# Altium PCB develboard_sdk.PcbDoc (part 1 of 4) (continued)
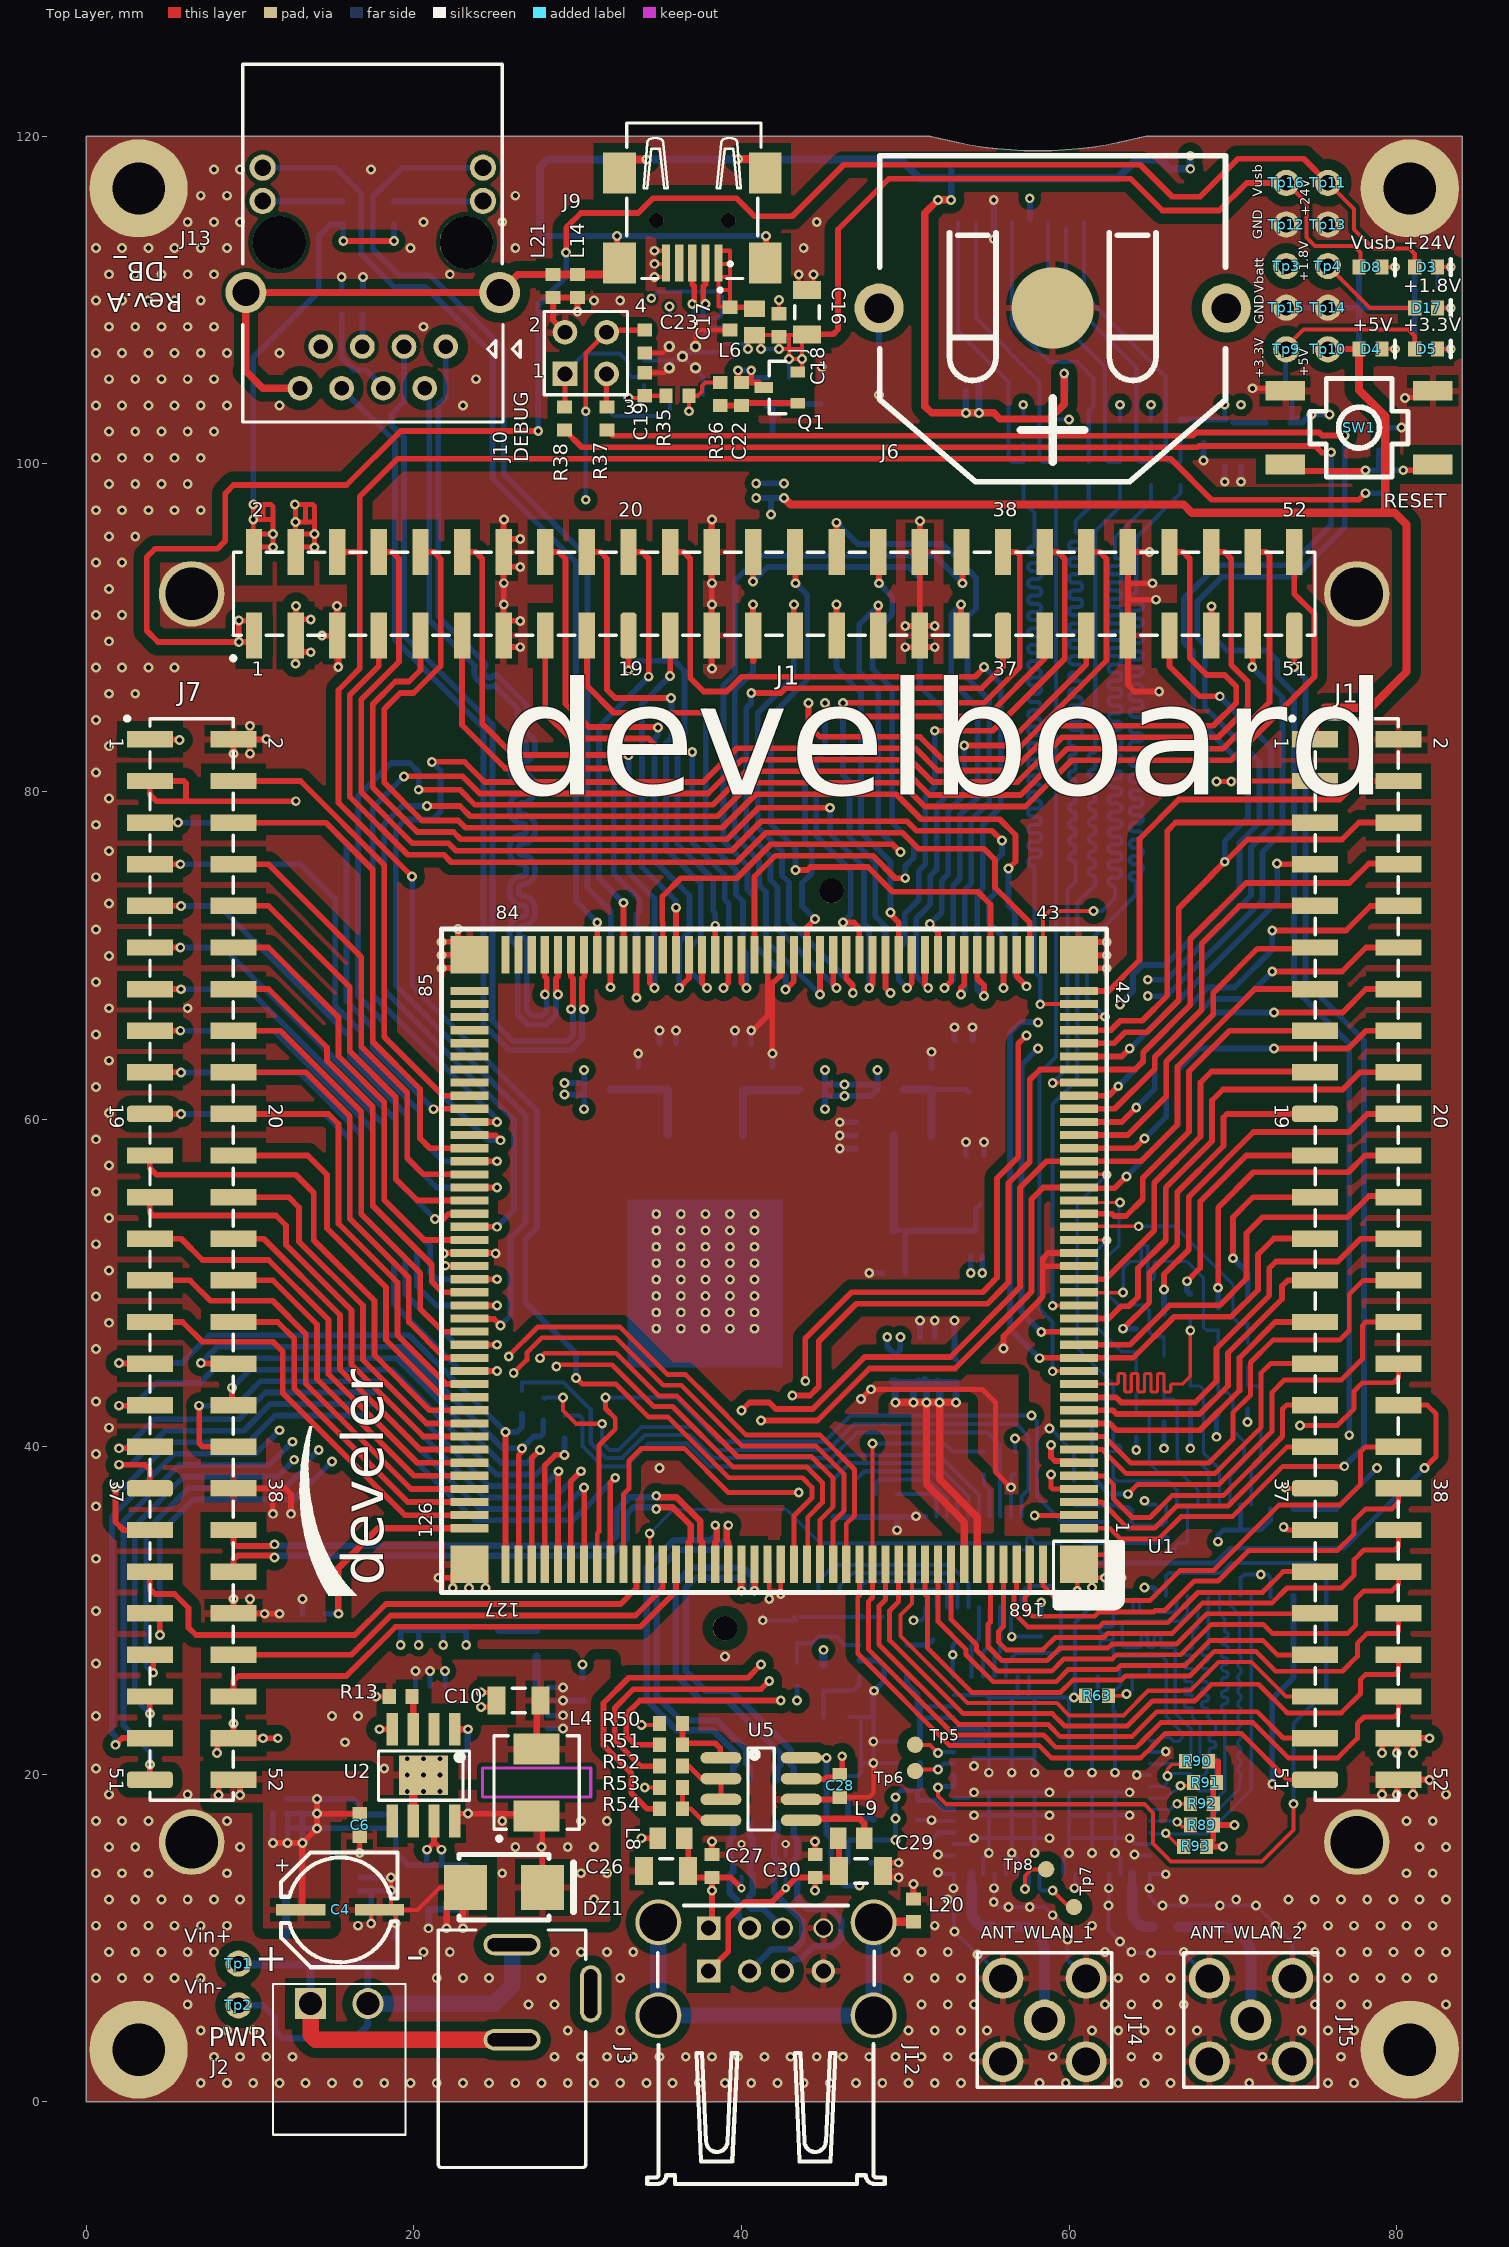
[diagram p0: Top Layer view]
## Design rules (kind name [scope] priority, off if disabled: settings) (continued)
SolderMaskExpansion [All] p2: expansion=0.05
ViasUnderSMD VIA_UnderSMD_1 [(Name = 'L18-1') Or (Name = 'L18-2') Or (Name = 'Y1-1') Or (Name = 'Y1-2') Or (Name = 'Y2-1') Or (Name = 'Y2-2')] p1: allowed=TRUE
Width Width_SDIO [InNetClass('SDIO') or InNetClass('SDIO_BUS') or innetclass('SDIO_LOWBUS')] p1: maxlimit=0.2 minlimit=0.17 preferedwidth=0.2
Width [All] p2: maxlimit=10 minlimit=0.2 preferedwidth=0.35 minimp=50.000000 maximp=50.000000 favimp=50.000000
17 further rules are at their usual default settings.

## Classes and differential pairs
net class mmc: PE18_TIOA5_MCI1_CK_P19 PE19_TIOB5_MCI1_CDA_N16 PE20_TCLK5_MCI1_DA0_M14 PE21_TIOA4_MCI1_DA1_M18 PE22_TIOB4_MCI1_DA2_M19 PE23_TCLK4_MCI_DA3_L18
component class sd_debug: C16 C17 C18 C19 C20 C21 C22 C23 C24 C25 D7 J9 J10 J11 L6 L7 L14 L18 L19 Q1 R33 R35 R36 R37 R38 R39 R40 R41 R42 R43 R44 R45 R46 R47 R48 R49 SW1 U4
component class wifi: C35 C36 C37 C38 C39 C40 C41 C42 C43 C44 C45 C46 J14 J15 L13 R1 R2 R3 R4 R5 R6 R7 R57 R58 R59 R60 R61 R62 R63 R64 R65 R66 R67 R68 R69 R70 R71 R72 R73 R74 R75 R76 R77 R78 R79 R80 R81 R82 R83 R84 R85 R86 R87 R89 R90 R91 R92 R93 R94 Tp5 Tp6 Tp7 Tp8 U8 U9 U10 U11 U12
component class develboard: C1 C2 L1 U1
component class supply: C3 C4 C5 C6 C7 C8 C9 C10 C11 C12 C13 C14 C15 C47 C48 C49 C50 C73 C74 D1 D2 D3 D4 D5 D6 D8 D17 DZ1 J2 J3 J6 L2 L3 L4 L5 L12 L15 L16 L17 R8 R13 R14 R15 R16 R17 R150 S1 Tp1 Tp2 Tp3 Tp4 Tp9 Tp10 Tp11 Tp12 Tp13 Tp14 Tp15 Tp16 U2 U3 U28
component class usb_ethernet: C26 C27 C28 C29 C30 C31 C32 C33 C34 J12 J13 L8 L9 L10 L11 L20 L21 R50 R51 R52 R53 R54 R55 R56 U5 U6 U7
net class Power: +1.8V +3.3V +5V +24V NetC5_1 NetC12_1 NetC39_2 NetC50_1 SW_5V VBUS1 VBUS2 VCC_USB VDD_SD
net class SDIO_BUS: NetR72_2 NetR73_2 NetR74_2 NetR75_2 NetR76_2 NetR84_1 NetR85_1
net class SDIO: PC4_SPI0_NPCS1_MCI0_CK_PCK1_W5_INT PE0_MCI0_CDB_CTS4_W19_INT PE1_MCI0_DB0_U17_INT PE2_MCI0_DB1_T17_INT PE3_MCI0_DB2_P16_INT PE4_MCI0_DB3_U18_INT PE8_TCLK3_PWML3_T19_INT
component class connectors: J1 J7 J16
net class SDIO_LOWBUS: CLK CMD D0 D1 D2 D3 IRQ
net class mmc_con: PE18_MCI1_CK PE19_MCI1_CDA PE20_MCI1_DA0 PE21_MCI1_DA1 PE22_MCI1_DA2 PE23_MCI1_DA3
component class "Components Class 2": U6 U7
differential pair FTDIUSB: +FTDIUSB_P -FTDIUSB_N
differential pair ETHTX: +ETHTX_P -ETHTX_N
differential pair ETHRX: +ETHRX_P -ETHRX_N
differential pair U2: +U2_P -U2_N
differential pair U1: +U1_P -U1_N
differential pair USB2: +USB2_P -USB2_N
differential pair USB1: +USB1_P -USB1_N
differential pair USB_OTG: +USB_OTG_P -USB_OTG_N

## Components (designator, comment, footprint, x,y, rotation, side; value= is the part's Value field where it differs from the comment)
C1 "10uF" 1206_[3216] 51.35,45.375 r90 bottom
C2 "100nF" 0603_[1608] 53.1,44.6 r90 bottom
C3 "100nF" 0603_[1608] 15.5,8.4 r180 bottom
C4 "100uF" CAP_6X6_D8_SMD 15.5,11.725 r270 top locked
C5 "100uF" [7343]_CAP_TAN 24.2,23.8 r180 bottom
C6 "100nF" 0603_[1608] 16.7,16.9 r90 top
C7 "10uF" 1206_[3216] 23.2,13.1 r270 bottom
C8 "1uF" 1206_[3216] 20.9,13.1 r270 bottom
C9 "10nF" 0603_[1608] 23.2,19.65 r270 bottom
C10 "10uF" 1206_[3216] 26.4,24.5 r180 top
C11 "100nF" 0603_[1608] 30.3,25.2 r270 bottom
C12 "1uF" 1206_[3216] 35.5,63.1 r90 bottom
C13 "10uF" 1206_[3216] 40.1,63.1 r90 bottom
C14 "100nF" 0603_[1608] 33.7,62.5 r270 bottom
C15 "100nF" 0603_[1608] 41.9,62.5 r270 bottom
C16 "4.7uF" 1206_[3216] 44,109.25 r90 top
C17 "10nF" 0603_[1608] 39.3,108.85 r270 top
C18 "100nF" 0603_[1608] 42.3,108.45 r90 top
C19 "100nF" 0603_[1608] 34.1,104.85 r90 top
C20 "100nF" 0603_[1608] 78.9,101.5 r270 bottom
C21 "100nF" 0603_[1608] 44.9,104.4 r270 bottom
C22 "100nF" 0603_[1608] 40,104.25 r90 top
C23 "100nF" 0603_[1608] 34.1,107.45 r270 top
C24 "10uF" 1206_[3216] 70,101.2 r270 bottom
C25 "100nF" 0603_[1608] 68.2,102 r270 bottom
C26 "10uF" 1206_[3216] 35.4,14.1 r180 top
C27 "100nF" 0603_[1608] 38.2,14.4 r90 top
C28 "100nF" 0603_[1608] 46,19.3 r270 top
C29 "10uF" 1206_[3216] 47.3,14.1 r0 top
C30 "100nF" 0603_[1608] 44.5,14.4 r90 top
C31 "100nF" 0603_[1608] 38.2,14.4 r270 bottom
C32 "100nF" 0603_[1608] 44.5,14.4 r270 bottom
C33 "100nF" 0603_[1608] 15.6,109.8 r90 bottom
C34 "100nF" 0603_[1608] 16.9,109.8 r90 bottom
C35 "100nF" 0603_[1608] 58.3,29.1 r270 bottom
C36 "100nF" 0603_[1608] 56.7,39 r270 bottom
C37 "100nF" 0603_[1608] 73,36.2 r180 bottom
C38 "100nF" 0603_[1608] 73,30.9 r180 bottom
C39 "100nF" 0603_[1608] 50.2,22 r0 bottom
C40 "10uF" 1206_[3216] 49.4,23.7 r0 bottom
C41 "4.7uF" 0805_[2012] 45.8,23.5 r180 bottom
C42 "1uF" 1206_[3216] 49.4,19 r0 bottom
C43 "100nF" 0603_[1608] 50.2,20.7 r0 bottom
C44 "100nF" 0603_[1608] 47.2,14.6 r180 bottom
C45 "100pF" 0603_[1608] 56,10.7 r0 bottom
C46 "100pF" 0603_[1608] 66,10.7 r0 bottom
C47 "100nF" 0603_[1608] 13.9,29.8 r0 bottom
C48 "100nF" 0603_[1608] 48.4,106.1 r90 bottom
C49 "10uF" 1206_[3216] 53.5,63.2 r90 bottom
C50 "10uF" 1206_[3216] 54.3,56.1 r90 bottom
C73 "100nF" 0603_[1608] 51.6,62.5 r270 bottom
C74 "100nF" 0603_[1608] 49.3,50.6 r0 bottom
D1 "S2B" DO214AA_12 12.2,15.2 r270 bottom
D2 "SMBJ28A" DO214AA_12 16.7,15.2 r270 bottom
D3 "+24V" 0603_[1608]_LED 81.8,112 r0 top
D4 "+5V" 0603_[1608]_LED 78.4,107 r0 top
D5 "+3.3V" 0603_[1608]_LED 81.8,107 r0 top
D6 "MBR120VLSFT1G" SOD-123 23.5,28.8 r180 bottom
D7 "MBR120VLSFT1G" SOD-123 41.8,100 r270 bottom
D8 "Vusb" 0603_[1608]_LED 78.4,112 r0 top
D17 "+1.8V" 0603_[1608]_LED 81.8,109.5 r0 top
DZ1 "B340A" DO214AA_12 25.5,13.1 r180 top
J1 "TOP" HEADER_2x26_2.54MM_SMD 42,92.06 r0 top locked
J2 "+24V Input" TBLOCK_1X2_3.5MM_HOR_THD 15.45,6 r0 top
J3 "+24V Input (WE  694108301002)" DC_Jack_6.5x2.5mm_right_tht 28.4,6.7 r270 top
J6 "Battery Holder 3002" Battery_holder_20mm_thd 59,109.5 r0 top locked
J7 "LEFT" HEADER_2x26_2.54MM_SMD 6.44,51.42 r270 top locked
J9 "Mini USB Type B (WE 65100516121)" usb_typeB_mini_smd 37,115 r180 top locked
J10 "DEBUG" HEADER_2X2_2.54MM_THD 30.5,106.75 r0 top
J11 "Micro SD holder" micro_sd_holder_pp 59,111.5 r180 bottom locked
J12 "USB Type A Dual" USB_TYPEA_DOUBLE_THD 41.5,8.12 r0 top locked
J13 "WE 74990111217" RJ45_LAN_TRANSFORMER_HORIZONTAL 17.5,113.5 r0 top locked
J14 "ANT_WLAN_1" SMA_JACK_FEMALE_5.08MM_THD 58.5,5 r0 top
J15 "ANT_WLAN_2" SMA_JACK_FEMALE_5.08MM_THD 71.1,5 r0 top
J16 "RIGHT" HEADER_2x26_2.54MM_SMD 77.56,51.42 r270 top locked
L1 "220 ohm @ 100MHz" 0805_[2012] 49.4,44.8 r270 bottom
L2 "220 ohm @ 100MHz" 0805_[2012] 12.2,9.2 r90 bottom
L3 "220 ohm @ 100MHz" 0805_[2012] 18.9,9.2 r90 bottom
L4 "10uH  WE 74437334100" WE-LHMI_5020 27.5,19.5 r90 top
L5 "220 ohm @ 100MHz" 0805_[2012] 31.2,61.8 r0 bottom
L6 "220 ohm @ 100MHz" 0805_[2012] 40.8,108.65 r90 top
L7 "220 ohm @ 100MHz" 0805_[2012] 72.8,102.5 r180 bottom
L8 "220 ohm @ 100MHz" 0805_[2012] 35.7,16.1 r180 top
L9 "220 ohm @ 100MHz" 0805_[2012] 46.7,16.1 r0 top
L10 "Line filter (WE 744232090)" WE-CNSW_1206 40,18.3 r270 bottom
L11 "Line filter (WE 744232090)" WE-CNSW_1206 42.7,18.3 r270 bottom
L12 "220 ohm @ 100MHz" 0805_[2012] 49.1,61.8 r0 bottom
L13 "220 ohm @ 100MHz" 0805_[2012] 45,25.9 r90 bottom
L14 "180R @ 100Mhz" 0603_[1608] 30,110.85 r270 top
L15 "220 ohm @ 100MHz" 0805_[2012] 44.3,61.8 r180 bottom
L16 "220 ohm @ 100MHz" 0805_[2012] 54.3,52.4 r90 bottom
L17 "220 ohm @ 100MHz" 0805_[2012] 27.5,28 r270 bottom
L18 "220 ohm @ 100MHz" 0805_[2012] 43.3,104.45 r90 bottom
L19 "220 ohm @ 100MHz" 0805_[2012] 41.6,104.45 r90 bottom
L20 "180R @ 100Mhz" 0603_[1608] 50.5,11.7 r90 top
L21 "180R @ 100Mhz" 0603_[1608] 28.5,110.85 r270 top
Q1 "IRLML6402" SOT-23 42.4,104.65 r180 top
R1 "NP" 0603_[1608] 70.9,48.2 r90 bottom
R2 "NP" 0603_[1608] 69.1,47.8 r90 bottom
R3 "NP" 0603_[1608] 67.4,48.6 r90 bottom
R4 "NP" 0603_[1608] 65.8,47.4 r90 bottom
R5 "NP" 0603_[1608] 64.1,46.5 r90 bottom
R6 "NP" 0603_[1608] 60.2,32.8 r0 bottom
R7 "NP" 0603_[1608] 61.4,42.2 r270 bottom
R8 "680R" 0603_[1608] 78.4,112 r0 bottom
R13 "68K" 0603_[1608] 19.2,24.75 r0 top
R14 "10K" 0603_[1608] 81.8,112 r0 bottom
R15 "10K" 0603_[1608] 81.8,110.8 r0 bottom
R16 "680R" 0603_[1608] 78.4,107 r0 bottom
R17 "180R" 0603_[1608] 81.8,107 r0 bottom
R33 "22R" 0603_[1608] 78.9,98.9 r270 bottom
R35 "10K" 0603_[1608] 36.1,104.15 r0 top
R36 "1K" 0603_[1608] 38.7,104.25 r90 top
R37 "22R" 0603_[1608] 31.8,102.75 r90 top
R38 "22R" 0603_[1608] 29.2,102.75 r90 top
R39 "10K" 0603_[1608] 63.1,102 r270 bottom
R40 "68K" 0603_[1608] 57.225,102 r270 bottom
R41 "68K" 0603_[1608] 59.1,102 r270 bottom
R42 "68K" 0603_[1608] 65,102 r270 bottom
R43 "68K" 0603_[1608] 66.8,102 r270 bottom
R44 "22R" 0603_[1608] 57.225,99.4 r90 bottom
R45 "22R" 0603_[1608] 59.1,99.4 r90 bottom
R46 "22R" 0603_[1608] 61.2,99.4 r90 bottom
R47 "22R" 0603_[1608] 63.1,99.4 r90 bottom
R48 "22R" 0603_[1608] 65,99.4 r90 bottom
R49 "22R" 0603_[1608] 66.8,99.4 r90 bottom
R50 "10K" 0603_[1608] 35.7,23.1 r0 top
R51 "22R" 0603_[1608] 35.7,21.8 r0 top
R52 "22R" 0603_[1608] 35.7,20.5 r0 top
R53 "10K" 0603_[1608] 35.7,19.2 r0 top
R54 "22R" 0603_[1608] 35.7,17.9 r0 top
R55 "470R" 0603_[1608] 18.8,115.3 r270 bottom
R56 "470R" 0603_[1608] 15.7,115.3 r270 bottom
R57 "22R" 0603_[1608] 54.8,39 r270 bottom
R58 "22R" 0603_[1608] 27.9,42.3 r90 bottom
R59 "22R" 0603_[1608] 26.6,42.7 r90 bottom
R60 "22R" 0603_[1608] 29.2,41.2 r90 bottom
R61 "100K" 0603_[1608] 44.7,30.3 r270 bottom
R62 "22R" 0603_[1608] 43.4,26.1 r90 bottom
R63 "NP" 0603_[1608] 61.7,24.8 r180 top
R64 "100K" 0603_[1608] 45.6,36.4 r270 bottom
R65 "100K" 0603_[1608] 46,30.3 r270 bottom
R66 "100K" 0603_[1608] 46.9,36.4 r270 bottom
R67 "100K" 0603_[1608] 47.3,30.3 r270 bottom
R68 "100K" 0603_[1608] 48.2,36.4 r270 bottom
R69 "100K" 0603_[1608] 48.6,30.3 r270 bottom
R70 "10K" 0603_[1608] 43.4,28.7 r270 bottom
R71 "100K" 0603_[1608] 49.5,36.4 r270 bottom
R72 "10K" 0603_[1608] 69.1,42.6 r90 bottom
R73 "10K" 0603_[1608] 65.8,42.2 r90 bottom
R74 "10K" 0603_[1608] 64.1,41.3 r90 bottom
R75 "10K" 0603_[1608] 67.4,43 r90 bottom
R76 "10K" 0603_[1608] 70.9,43 r90 bottom
R77 "470R" 0603_[1608] 52.4,28.2 r0 bottom
R78 "10K" 0603_[1608] 60.3,37.2 r270 bottom
R79 "22R" 0603_[1608] 70.9,45.6 r90 bottom
R80 "22R" 0603_[1608] 69.1,45.2 r90 bottom
R81 "22R" 0603_[1608] 67.4,45.6 r90 bottom
R82 "22R" 0603_[1608] 65.8,44.8 r90 bottom
R83 "22R" 0603_[1608] 64.1,43.9 r90 bottom
R84 "22R" 0603_[1608] 60.2,34.1 r180 bottom
R85 "22R" 0603_[1608] 62.7,42.2 r90 bottom
R86 "22R" 0603_[1608] 63.1,35.4 r180 bottom
R87 "0R" 0603_[1608] 46.5,16.6 r90 bottom
R89 "NP" 0603_[1608] 68.1,16.9 r180 top
R90 "NP" 0603_[1608] 67.8,20.8 r180 top
R91 "NP" 0603_[1608] 68.3,19.5 r180 top
R92 "NP" 0603_[1608] 68.1,18.2 r180 top
R93 "NP" 0603_[1608] 67.7,15.6 r180 top
R94 "NP" 0603_[1608] 46.55,19.2 r270 bottom
R150 "56R" 0603_[1608] 81.8,109.5 r0 bottom
SW1 "RESET" TACTILE_SWITCH_6x6MM_SMD 77.7,102.2 r270 top locked
Tp1 "Vin+" TEST_POINT_THD_D1.6MM#1 9.3,8.44 r90 top
Tp2 "Vin-" TEST_POINT_THD_D1.6MM#2 9.3,5.9 r0 top
Tp3 "Vbatt" TEST_POINT_THD_D1.6MM#2 73.26,112.06 r180 top
Tp4 "+1.8V" TEST_POINT_THD_D1.6MM#2 75.8,112.06 r180 top
Tp5 "BT_DBG" TEST_POINT_SMD_D1MM 50.6,21.8 r0 top
Tp6 "WL_DBG" TEST_POINT_SMD_D1MM 50.6,20.2 r0 top
Tp7 "WL_DBG_RX" TEST_POINT_SMD_D1MM 60.3,11.9 r90 top
Tp8 "WL_DBG_TX" TEST_POINT_SMD_D1MM 58.6,14.2 r90 top
Tp9 "+3.3V" TEST_POINT_THD_D1.6MM#2 73.26,106.98 r180 top
Tp10 "+5V" TEST_POINT_THD_D1.6MM#2 75.8,106.98 r180 top
Tp11 "+24V" TEST_POINT_THD_D1.6MM#2 75.8,117.14 r180 top
Tp12 "GND" TEST_POINT_THD_D1.6MM#2 73.26,114.6 r180 top
Tp13 "GND" TEST_POINT_THD_D1.6MM#2 75.8,114.6 r180 top
Tp14 "GND" TEST_POINT_THD_D1.6MM#2 75.8,109.52 r180 top
Tp15 "GND" TEST_POINT_THD_D1.6MM#2 73.26,109.52 r180 top
Tp16 "Vusb" TEST_POINT_THD_D1.6MM#2 73.26,117.14 r180 top
U1 "Project42" project42_footprint_socket 42,51.42 r270 top locked
U2 "LM22670MRE-5.0/NOPB" SOIC8_PAD 20.6,19.95 r270 top
U3 "LD29150DT33R" TO-252_D2PAK_LARGEPAD 37.8,53.588 r270 bottom
U4 "FT232RQ" QFN-32 36.4,106.55 r0 bottom locked
U5 "SP2526A-1EN-L" SOIC8 41.2,19.1 r0 top
U6 "TVS Array (WE 82400152)" SOT-563 40,14.4 r0 bottom
U7 "TVS Array (WE 82400152)" SOT-563 42.7,14.4 r0 bottom
U8 "TXB0108PW" TSOP65P640X120-20L 54.175,32.975 r90 bottom
U9 "WL1831MOD" WL18XX_E-13.4X13.3-N100_0.75 58.95,19.95 r270 bottom locked
U10 "FPF2124" SOT-23-5 48.65,26.95 r90 bottom
U11 "TXS0108E" TSOP65P640X120-20L 68.2,33.7 r90 bottom locked
U12 "32.768kHz Oscillator" CRYSTAL_3.2X1.5MM_4P_SMD 49.4,16.6 r0 bottom
U28 "LM1117-18" SOT-223 49.3,56.1 r270 bottom
? "" Develer_logo_15x6mm 19,30.9 r90 top
? "" Develer_logo_15x6mm_botSolder 79.4,47.8 r90 top

## Footprints (in the part's own frame and the unit in brackets; to place one, negate y for a bottom-side part, rotate by r counter-clockwise, add the part's x,y. Pads: shape width x height; smd on the part's side, far side on the other; paste and mask are expansions set on the pad)
0603_[1608] [mm] "Chip Capacitor, Body 1.6x0.8mm, IPC High Density"
  rect 0.8x0.9 smd: 1(-0.7,0) 2(0.7,0)
  body extent -0.75,-0.4 0.75,0.4, height 0.67
0603_[1608]_LED [mm] "SMD led 0603 size"
  rect 0.8x0.9 smd: 1(-0.7,0) 2(0.7,0)
  silkscreen extent 1.5,-0.5 1.5,0.5, body extent -0.8,-0.4 0.8,0.4, height 0.7
0805_[2012] [mm] "Chip Resistor, Body 2.0x1.2mm, IPC High Density"
  rect 1x1.3 smd: 1(-0.8,0) 2(0.8,0)
  body extent -1,-0.6 1,0.6, height 0.62
1206_[3216] [mm] "Chip Capacitor, Body 3.2x1.6mm, IPC High Density"
  rect 1.1x1.7 smd: 1(-1.35,0) 2(1.35,0)
  silkscreen extent -0.4,-0.75 0.4,0.75, body extent -1.7,-0.9 1.7,0.9, height 1.3
[7343]_CAP_TAN [mm] "Capacitor, SM Tantalum; Body 7.3 x 4.3 mm (LxW typ)"
  rect 2.6x4.2 smd: 1(-3.2,0) 2(3.2,0)
  silkscreen extent -4.9,-2.3 -4.9,2.3, body extent -3.8,-2.3 3.8,2.3, height 3.1
Battery_holder_20mm_thd [mm] "Coin Battery 2016, 2020, 2025, 2032 (3003 keyston, WE 79523211)"
  round 5 smd paste-10: NEG(0,0)
  round 3 hole 1.8: P1(-10.6,0) P2(10.6,0)
  silkscreen extent -10.55,-10.6 10.55,9.3, body extent -11.3,-10.25 11.3,9.35, height 4.1
CAP_6X6_D8_SMD [mm] "SMD Capacitor 6x6mm"
  rect 0.7x3 smd: 1(0,-2.4) 2(0,2.4)
  silkscreen extent -3.5,-3.6 3.5,3.5, body extent -3.3,-3.5 3.3,3.5, height 7.7
CRYSTAL_3.2X1.5MM_4P_SMD [mm] "SMD cristal/oscillator 4 pin"
  rect 1.05x0.8 smd: 1(-1.325,-0.6) 2(1.325,-0.6) 3(1.325,0.6) 4(-1.325,0.6)
  body extent -1.6,-0.8 1.6,0.8, height 0.8
DC_Jack_6.5x2.5mm_right_tht [mm] "WR-DC_DC Power Jack_Right Angled_THT Center Pin ?2.5_Plug ID ?2.05_Plug OD ?5.5"
  oval 1.3x3.5 hole 0.8 slot 3 at 90 deg: 1(2.9,-2.4) 2(-2.9,-2.4)
  oval 3.5x1.3 hole 0.8 slot 3 at 0 deg: 3(0.1,2.4)
  silkscreen extent -3.8,-6.9 10.7,2.1, body extent -3.8,-6.9 10.7,2.5, height 10.7
Develer_logo_15x6mm [mm]
  silkscreen extent 0,2.47 10.36,5.98
Develer_logo_15x6mm_botSolder [mm]
DO214AA_12 [mil]
  rect 103x108 smd: 1(-92.5,0) 2(92.5,0)
  silkscreen extent -167,-79 108,79, body extent -110,-78 110,78, height 106
HEADER_2X2_2.54MM_THD [mm] "pin header 2.54mm 2row 4pin"
  rect 1.5x1.5 hole 0.9: 1(-1.27,-1.27)
  round 1.5 hole 0.9: 2(-1.27,1.27) 3(1.27,-1.27) 4(1.27,1.27)
  silkscreen extent -2.54,-2.54 2.54,2.54, body extent -2.54,-2.54 2.54,2.54, height 8.57
HEADER_2x26_2.54MM_SMD [mm] "SMT, 26 pins, dual row, straight, gold plating"
  rect 1x2.8 smd: 1(-31.75,-2.55) 2(-31.75,2.55) 2(-31.75,2.55) 3(-29.21,-2.55) 4(-29.21,2.55) 5(-26.67,-2.55) 6(-26.67,2.55) 7(-24.13,-2.55) 8(-24.13,2.55) 9(-21.59,-2.55) 10(-21.59,2.55) 11(-19.05,-2.55) 12(-19.05,2.55) 13(-16.51,-2.55) 14(-16.51,2.55) 15(-13.97,-2.55) 16(-13.97,2.55) 17(-11.43,-2.55) 18(-11.43,2.55) 20(-8.89,2.55) 21(-6.35,-2.55) 22(-6.35,2.55) 23(-3.81,-2.55) 24(-3.81,2.55) 25(-1.27,-2.55) 26(-1.27,2.55) 27(1.27,-2.55) 28(1.27,2.55) 29(3.81,-2.55) 30(3.81,2.55) 31(6.35,-2.55) 32(6.35,2.55) 33(8.89,-2.55) 34(8.89,2.55) 35(11.43,-2.55) 36(11.43,2.55) 38(13.97,2.55) 39(16.51,-2.55) 40(16.51,2.55) 41(19.05,-2.55) 42(19.05,2.55) 43(21.59,-2.55) 44(21.59,2.55) 45(24.13,-2.55) 46(24.13,2.55) 47(26.67,-2.55) 48(26.67,2.55) 49(29.21,-2.55) 50(29.21,2.55) 52(31.75,2.55)
  rrect40% 1x2.8 smd: 1(-31.75,-2.55) 19(-8.89,-2.55) 37(13.97,-2.55) 51(31.75,-2.55)
  silkscreen extent -33.14,-4.06 33.01,2.54, body extent -33.02,-3.75 33.02,3.75, height 9.57
micro_sd_holder_pp [mm] "WR-CRD Micro SD_Push and Push_Card Detection_8 pins"
  rect 0.8x1.5 smd: 1(-1.915,3.225) 2(-0.815,2.825) 3(0.285,3.225) 4(1.385,3.425) 5(2.485,3.225) 6(3.585,3.425) 7(4.685,3.225) 8(5.785,3.225)
  rect 1.4x1.9 smd: Z1(-6.575,7.075) Z2(6.575,5.925)
  rect 1.8x1.4 smd: Z3(-0.715,-7.075) Z4(4.975,-7.075)
  silkscreen extent -7.05,-7.7 7.1,7.7, body extent -6.97,-7.63 7.03,7.58, height 1.84
project42_footprint_socket [mm]
  rect 0.5x2.3 smd: 1(16.4,18.6) 2(15.6,18.6) 3(14.8,18.6) 4(14,18.6) 5(13.2,18.6) 6(12.4,18.6) 7(11.6,18.6) 8(10.8,18.6) 9(10,18.6) 10(9.2,18.6) 11(8.4,18.6) 12(7.6,18.6) 13(6.8,18.6) 14(6,18.6) 15(5.2,18.6) 16(4.4,18.6) 17(3.6,18.6) 18(2.8,18.6) 19(2,18.6) 20(1.2,18.6) 21(0.4,18.6) 22(-0.4,18.6) 23(-1.2,18.6) 24(-2,18.6) 25(-2.8,18.6) 26(-3.6,18.6) 27(-4.4,18.6) 28(-5.2,18.6) 29(-6,18.6) 30(-6.8,18.6) 31(-7.6,18.6) 32(-8.4,18.6) 33(-9.2,18.6) 34(-10,18.6) 35(-10.8,18.6) 36(-11.6,18.6) 37(-12.4,18.6) 38(-13.2,18.6) 39(-14,18.6) 40(-14.8,18.6) 41(-15.6,18.6) 42(-16.4,18.6) 85(-16.4,-18.6) 86(-15.6,-18.6) 87(-14.8,-18.6) 88(-14,-18.6) 89(-13.2,-18.6) 90(-12.4,-18.6) 91(-11.6,-18.6) 92(-10.8,-18.6) 93(-10,-18.6) 94(-9.2,-18.6) 95(-8.4,-18.6) 96(-7.6,-18.6) 97(-6.8,-18.6) 98(-6,-18.6) 99(-5.2,-18.6) 100(-4.4,-18.6) 101(-3.6,-18.6) 102(-2.8,-18.6) 103(-2,-18.6) 104(-1.2,-18.6) 105(-0.4,-18.6) 106(0.4,-18.6) 107(1.2,-18.6) 108(2,-18.6) 109(2.8,-18.6) 110(3.6,-18.6) 111(4.4,-18.6) 112(5.2,-18.6) 113(6,-18.6) 114(6.8,-18.6) 115(7.6,-18.6) 116(8.4,-18.6) 117(9.2,-18.6) 118(10,-18.6) 119(10.8,-18.6) 120(11.6,-18.6) 121(12.4,-18.6) 122(13.2,-18.6) 123(14,-18.6) 124(14.8,-18.6) 125(15.6,-18.6) 126(16.4,-18.6)
  rect 2.3x0.5 smd: 43(-18.6,16.4) 44(-18.6,15.6) 45(-18.6,14.8) 46(-18.6,14) 47(-18.6,13.2) 48(-18.6,12.4) 49(-18.6,11.6) 50(-18.6,10.8) 51(-18.6,10) 52(-18.6,9.2) 53(-18.6,8.4) 54(-18.6,7.6) 55(-18.6,6.8) 56(-18.6,6) 57(-18.6,5.2) 58(-18.6,4.4) 59(-18.6,3.6) 60(-18.6,2.8) 61(-18.6,2) 62(-18.6,1.2) 63(-18.6,0.4) 64(-18.6,-0.4) 65(-18.6,-1.2) 66(-18.6,-2) 67(-18.6,-2.8) 68(-18.6,-3.6) 69(-18.6,-4.4) 70(-18.6,-5.2) 71(-18.6,-6) 72(-18.6,-6.8) 73(-18.6,-7.6) 74(-18.6,-8.4) 75(-18.6,-9.2) 76(-18.6,-10) 77(-18.6,-10.8) 78(-18.6,-11.6) 79(-18.6,-12.4) 80(-18.6,-13.2) 81(-18.6,-14) 82(-18.6,-14.8) 83(-18.6,-15.6) 84(-18.6,-16.4) 127(18.6,-16.4) 128(18.6,-15.6) 129(18.6,-14.8) 130(18.6,-14) 131(18.6,-13.2) 132(18.6,-12.4) 133(18.6,-11.6) 134(18.6,-10.8) 135(18.6,-10) 136(18.6,-9.2) 137(18.6,-8.4) 138(18.6,-7.6) 139(18.6,-6.8) 140(18.6,-6) 141(18.6,-5.2) 142(18.6,-4.4) 143(18.6,-3.6) 144(18.6,-2.8) 145(18.6,-2) 146(18.6,-1.2) 147(18.6,-0.4) 148(18.6,0.4) 149(18.6,1.2) 150(18.6,2) 151(18.6,2.8) 152(18.6,3.6) 153(18.6,4.4) 154(18.6,5.2) 155(18.6,6) 156(18.6,6.8) 157(18.6,7.6) 158(18.6,8.4) 159(18.6,9.2) 160(18.6,10) 161(18.6,10.8) 162(18.6,11.6) 163(18.6,12.4) 164(18.6,13.2) 165(18.6,14) 166(18.6,14.8) 167(18.6,15.6) 168(18.6,16.4)
  rect 2.3x2.3 smd: GND(-18.6,18.6) GND(-18.6,-18.6) GND(18.6,18.6) GND(18.6,-18.6)
  round 1.5 hole 1.5 unplated paste-10 mask+0: H(-22.5,3.5) H(22.5,-3)
  silkscreen extent 17.2,17.05 20.2,20.3, body extent -19,-19 19,19, height 2.45
QFN-32 [mm]
  rect 0.5x0.3 smd: 1(-2.35,1.75) 2(-2.35,1.25) 3(-2.35,0.75) 4(-2.35,0.25) 5(-2.35,-0.25) 6(-2.35,-0.75) 7(-2.35,-1.25) 8(-2.35,-1.75) 17(2.35,-1.75) 18(2.35,-1.25) 19(2.35,-0.75) 20(2.35,-0.25) 21(2.35,0.25) 22(2.35,0.75) 23(2.35,1.25) 24(2.35,1.75)
  rect 0.3x0.5 smd: 9(-1.75,-2.35) 10(-1.25,-2.35) 11(-0.75,-2.35) 12(-0.25,-2.35) 13(0.25,-2.35) 14(0.75,-2.35) 15(1.25,-2.35) 16(1.75,-2.35) 25(1.75,2.35) 26(1.25,2.35) 27(0.75,2.35) 28(0.25,2.35) 29(-0.25,2.35) 30(-0.75,2.35) 31(-1.25,2.35) 32(-1.75,2.35)
  round 0.7 hole 0.35 paste-10 mask-10: GND_PAD(-0.8,-0.6) GND_PAD(-0.8,0.7) GND_PAD(0,0) GND_PAD(0.8,-0.6) GND_PAD(0.8,0.7)
  rect 3.2x3.2 smd: GND_PAD(0,0)
  silkscreen extent -2.5,-2.5 2.5,2.5, body extent -2.5,-2.5 2.5,2.5, height 1.3
RJ45_LAN_TRANSFORMER_HORIZONTAL [mm] "RJ45 LAN CONNECTOR with Surge Protection,  THT, Body 16.04 X 21.30 mm"
  round 1.5 hole 0.89 paste+0: 1(4.445,-6.35) 2(3.175,-8.89) 3(1.905,-6.35) 4(0.635,-8.89) 5(-0.635,-6.35) 6(-1.905,-8.89) 7(-3.175,-6.35) 8(-4.445,-8.89)
  round 1.6 hole 1.02 paste+0: 9(6.725,2.54) 10(6.725,4.57) 11(-6.725,2.54) 12(-6.725,4.57)
  round 3.25 hole 3.25 paste+0: 13(-5.715,0) 14(5.715,0)
  round 2.5 hole 1.63 paste+0: 15(-7.745,-3.05) 16(7.745,-3.05)
  silkscreen extent -7.94,-10.95 9,10.89, body extent -8.04,-11.02 8.04,10.82, height 14.37
SMA_JACK_FEMALE_5.08MM_THD [mm]
  round 2.5 hole 1.6: 1(0,0)
  round 2.5 hole 1.7: 2(-2.54,-2.54) 3(2.54,-2.54) 4(2.54,2.54) 5(-2.54,2.54)
  silkscreen extent -4.1,-4.1 4.1,4.1, body extent -3.15,-11.1 3.2,3.1, height 10.38
SOD-123 [mm] "SOD-123; 2 Leads; Body 2.7 x 1.6 mm, (LxW)"
  rect 1.6x0.8 smd: 1(1.7,0) 2(-1.7,0)
  silkscreen extent -1.45,-0.85 1.45,0.85, body extent -1.85,-0.8 1.85,0.8, height 1.27
SOIC8 [mm] "SOIC, 8-Leads, Body 4.9x3.8mm, Pitch 1.27mm, IPC Low Density"
  oval 2.5x0.7 smd: 1(-2.45,1.905) 2(-2.45,0.635) 3(-2.45,-0.635) 4(-2.45,-1.905) 5(2.45,-1.905) 6(2.45,-0.635) 7(2.45,0.635) 8(2.45,1.905)
  silkscreen extent -0.8,-2.5 0.8,2.5, body extent -2,-2.5 2,2.5, height 1.75
SOIC8_PAD [mm] "SOIC, 8-Leads, Body 4.9x3.8mm, Pitch 1.27mm, IPC Low Density"
  rect 2x0.7 smd mask+0.05: 1(-2.8,1.905) 2(-2.8,0.635) 3(-2.8,-0.635) 4(-2.8,-1.905) 5(2.8,-1.905) 6(2.8,-0.635) 7(2.8,0.635) 8(2.8,1.905)
  round 0.4 / inner round 0.6 / far side round 0.6 hole 0.3 paste-10 mask-10: 9(-1,1) 9(-1,0) 9(-1,-1) 9(0,0) 9(0,1) 9(0,-1) 9(1,1) 9(1,0) 9(1,-1)
  rect 2.4x3 smd: 9(0,0)
  silkscreen extent -1.48,-2.75 1.53,2.8, body extent -2.98,-2.45 2.98,2.45, height 1.54
SOT-23 [mm] "SOT23, 3-Leads, Body 2.9x1.3mm, Pitch 0.95mm, Lead Span 2.5mm, IPC High Density"
  rect 0.9x0.65 smd: 1(-1.038,0.95) 2(-1.038,-0.95)
  rect 1.1x0.65 smd: 3(1.038,0)
  silkscreen extent -0.3,-1.6 0.7,1.6, body extent -1.2,-1.52 1.2,1.52, height 1.22
SOT-23-5 [mm]
  rect 0.5x1.2 smd: 1(-0.95,-1.45) 2(0,-1.45) 3(0.95,-1.45) 4(0.95,1.45) 5(-0.95,1.45)
  silkscreen extent -1.5,-0.6 1.5,0.6, body extent -1.5,-1.5 1.5,1.5, height 1.35
SOT-223 [mm] "SOT223, 4-Leads, Body 6.5x3.5mm, Pitch 2.3mm, Lead Span 7mm, IPC Medium Density"
  rect 2.4x1 smd: 1(-2.9,2.3) 2(-2.9,0) 3(-2.9,-2.3)
  rect 2.4x3.3 smd: 4(2.9,0)
  silkscreen extent -1.25,-3.35 1.25,3.35, body extent -1.85,-3.35 1.85,3.35, height 1.8
SOT-563 [mm]
  rect 0.3x0.5 smd: 1(-0.5,-0.7) 2(0,-0.7) 3(0.5,-0.7) 4(0.5,0.7) 5(0,0.7) 6(-0.5,0.7)
  silkscreen extent -0.9,-0.61 0.9,0.6, body extent -0.8,-0.79 0.8,0.81, height 0.55
TACTILE_SWITCH_6x6MM_SMD [mm] "Tactile switch smd 4pin vertical"
  rect 1.2x2.4 smd: 1(2.25,4.5) 2(2.25,-4.5) 3(-2.25,4.5) 4(-2.25,-4.5)
  silkscreen extent -3,-3 3,3, body extent -3.1,-4.5 3.1,4.5, height 9.5
TBLOCK_1X2_3.5MM_HOR_THD [mm] "3,50mm - PCB Horizontal - 02p"
  rect 1.9x1.9 hole 1.4: 1(-1.75,0)
  round 1.9 hole 1.4: 2(1.75,0)
  silkscreen extent -4.05,-8 4.05,1.2, body extent -4.05,-16.8 4.05,1.2, height 7.98
TEST_POINT_SMD_D1MM [mm] "Test point D=1MM"
  round 1 smd paste-10: 1(0,0)
TEST_POINT_THD_D1.6MM#1 [mm] "Test point D=1.6MM"
  round 1.6 hole 0.95 paste+0.1 mask+0.05: 1(0,0)
TEST_POINT_THD_D1.6MM#2 [mm] "Test point D=1.6MM"
  round 1.6 hole 0.95 paste-10 mask+0.05: 1(0,0)
TO-252_D2PAK_LARGEPAD [mm] "D2-PAK, 4-Leads, Body 8.8x10.4mm, Pitch 2.54mm, Lead Span 15.1mm, IPC High Density"
  rect 3x1.5 smd: 1(-5.437,2.3) 3(-5.437,-2.3)
  round 0.6 hole 0.3 paste-10 mask-10: 2(-0.612,-3) 2(-0.612,-1.5) 2(-0.612,0) 2(-0.612,1.5) 2(-0.612,3) 2(0.388,-3) 2(0.388,-1.5) 2(0.388,0) 2(0.388,1.5) 2(0.388,3) 2(1.388,-3) 2(1.388,-1.5) 2(1.388,0) 2(1.388,1.5) 2(1.388,3) 2(2.388,-3) 2(2.388,-1.5) 2(2.388,0) 2(2.388,1.5) 2(2.388,3) 2(3.388,-3) 2(3.388,-1.5) 2(3.388,0) 2(3.388,1.5) 2(3.388,3) 2(4.388,-3) 2(4.388,-1.5) 2(4.388,0) 2(4.388,1.5) 2(4.388,3) 2(5.388,-3) 2(5.388,-1.5) 2(5.388,0) 2(5.388,1.5) 2(5.388,3) 2(6.388,-3) 2(6.388,-1.5) 2(6.388,0) 2(6.388,1.5) 2(6.388,3)
  rect 5.4x6.2 smd: 2(1.513,0)
  Top Layer region: -1.5,4.75 8.75,4.75 8.75,-4.75 -1.5,-4.75
  silkscreen extent -6.59,-4.2 4.9,4.2, body extent -5.75,-3.27 4.19,3.27, height 2.34
TSOP65P640X120-20L [mm] "TSOP, 20-Leads, Body 6,50x4,35mm, Pitch 0,65mm, IPC High Density"
  oval 1.35x0.4 smd: 1(-2.775,2.925) 2(-2.775,2.275) 3(-2.775,1.625) 4(-2.775,0.975) 5(-2.775,0.325) 6(-2.775,-0.325) 7(-2.775,-0.975) 8(-2.775,-1.625) 9(-2.775,-2.275) 10(-2.775,-2.925) 11(2.775,-2.925) 12(2.775,-2.275) 13(2.775,-1.625) 14(2.775,-0.975) 15(2.775,-0.325) 16(2.775,0.325) 17(2.775,0.975) 18(2.775,1.625) 19(2.775,2.275) 20(2.775,2.925)
  silkscreen extent -4.1,-3.3 1.7,3.3, body extent -2.1,-3.3 2.1,3.3, height 1.2
USB_TYPEA_DOUBLE_THD [mm] "2 x 4 pins"
  rect 1.42x1.42 hole 0.92: A1(-3.5,2.49) B1(-3.5,-0.13)
  round 1.42 hole 0.92: A2(-1,2.49) B2(-1,-0.13) B3(1,-0.13) B4(3.5,-0.13)
  round 1.3 hole 0.92: A3(1,2.49)
  round 1.2 hole 0.92: A4(3.5,2.49)
  round 2.8 hole 2.3: Z1(-6.57,2.84) Z2(6.57,2.84) Z3(-6.57,-2.84) Z4(6.57,-2.84)
  silkscreen extent -7.25,-13.12 7.25,3.88, body extent -7.89,-13.12 7.89,4.03, height 16.15
usb_typeB_mini_smd [mm] "5 pins"
  rect 0.5x2.25 smd: 1(-1.6,2.75) 2(-0.8,2.75) 3(0,2.75) 4(0.8,2.75) 5(1.6,2.75)
  rect 2x2.5 smd: Z1(-4.45,2.75) Z2(4.45,2.75) Z3(4.45,-2.75) Z4(-4.45,-2.75)
  round 0.9 hole 0.9 unplated: ""(-2.2,0.15) ""(2.2,0.15)
  silkscreen extent -4.2,-5.8 4,4.52, body extent -4.8,-5.75 4.8,3.5, height 3.97
WE-CNSW_1206 [mm] "SMD Inductor, 4-Leads, Body 1,8x3,4mm"
  rect 1.1x0.6 smd: 1(-1.35,0.5) 2(1.35,0.5) 3(1.35,-0.5) 4(-1.35,-0.5)
  silkscreen extent -2.3,-1.2 2.3,1.2, body extent -1.6,-0.8 1.6,0.8, height 1.88
WE-LHMI_5020 [mm] "SMD Inductor, 2-Leads, Body 5.7x 5.2mm"
  rect 1.9x2.8 smd: 1(-2.05,0) 2(2.05,0)
  Keep-Out Layer lines w0.2: -0.889,3.302 -0.889,-3.302 0.889,-3.302 0.889,3.302 -0.889,3.302
  silkscreen extent -3.55,-2.6 2.85,2.6, body extent -2.85,-2.6 2.85,2.6, height 1.8
WL18XX_E-13.4X13.3-N100_0.75 [mm] "Wireless module texas wl18xx"
  rect 0.75x0.75 smd mask+0.03: 1(-6.025,-5.975) 17(6.025,-5.975) 33(6.025,5.975) 49(-6.025,5.975)
  rect 0.4x0.75 smd mask+0.03: 2(-4.9,-5.975) 3(-4.2,-5.975) 4(-3.5,-5.975) 5(-2.8,-5.975) 6(-2.1,-5.975) 7(-1.4,-5.975) 8(-0.7,-5.975) 9(0,-5.975) 10(0.7,-5.975) 11(1.4,-5.975) 12(2.1,-5.975) 13(2.8,-5.975) 14(3.5,-5.975) 15(4.2,-5.975) 16(4.9,-5.975) 34(4.9,5.975) 35(4.2,5.975) 36(3.5,5.975) 37(2.8,5.975) 38(2.1,5.975) 39(1.4,5.975) 40(0.7,5.975) 41(0,5.975) 42(-0.7,5.975) 43(-1.4,5.975) 44(-2.1,5.975) 45(-2.8,5.975) 46(-3.5,5.975) 47(-4.2,5.975) 48(-4.9,5.975)
  rect 0.75x0.4 smd mask+0.03: 18(6.025,-4.9) 19(6.025,-4.2) 20(6.025,-3.5) 21(6.025,-2.8) 22(6.025,-2.1) 23(6.025,-1.4) 24(6.025,-0.7) 25(6.025,0) 26(6.025,0.7) 27(6.025,1.4) 28(6.025,2.1) 29(6.025,2.8) 30(6.025,3.5) 31(6.025,4.2) 32(6.025,4.9) 50(-6.025,4.9) 51(-6.025,4.2) 52(-6.025,3.5) 53(-6.025,2.8) 54(-6.025,2.1) 55(-6.025,1.4) 56(-6.025,0.7) 57(-6.025,0) 58(-6.025,-0.7) 59(-6.025,-1.4) 60(-6.025,-2.1) 61(-6.025,-2.8) 62(-6.025,-3.5) 63(-6.025,-4.2) 64(-6.025,-4.9)
  rect 1x1 smd mask+0.03: GND(-3.85,-3.85) GND(-3.85,-2.45) GND(-3.85,-1.05) GND(-3.85,1.05) GND(-3.85,2.45) GND(-3.85,3.85) GND(-2.45,-3.85) GND(-2.45,-2.45) GND(-2.45,-1.05) GND(-2.45,1.05) GND(-2.45,2.45) GND(-2.45,3.85) GND(-1.05,-3.85) GND(-1.05,-2.45) GND(-1.05,-1.05) GND(-1.05,1.05) GND(-1.05,2.45) GND(-1.05,3.85) GND(1.05,-3.85) GND(1.05,-2.45) GND(1.05,-1.05) GND(1.05,1.05) GND(1.05,2.45) GND(1.05,3.85) GND(2.45,-3.85) GND(2.45,-2.45) GND(2.45,-1.05) GND(2.45,1.05) GND(2.45,2.45) GND(2.45,3.85) GND(3.85,-3.85) GND(3.85,-2.45) GND(3.85,-1.05) GND(3.85,1.05) GND(3.85,2.45) GND(3.85,3.85)
  silkscreen extent -7.1,-7.05 6.9,6.75, body extent -6.6,-6.55 6.7,6.55, height 2.1

## Part data
C1 C16 C24 C26 C29: library part "Cap Pol1", "Ceramic X5R 25V"
C2 C3 C6 C9 C11 C14 C15 C17 C18 C19 C20 C21 C22 C23 C25 C27 C28 C30 C31 C32 C35 C36 C37 C38 C39 C42 C43 C44 C47 C48 C73 C74: library part Cap, "Ceramic X7R 50V"
C4: library part "Cap Pol1", "EEEFK1H101P SMT 6x6 35V"
C5: library part "Cap Pol1", "Tantalum 10V (T495D107K010ATE100)"
C7 C8 C10 C12 C13 C49 C50: library part "Cap Pol1", "Ceramic X7R 50V"
C33 C34: library part Cap, "Capacitor"
C40: library part Cap, "Ceramic X5R 25V"
C41: library part Cap, "Ceramic X7R 10V"
C45 C46: library part Cap, "Ceramic COG 50V"
D1: library part Diode, "S2B Diode"
D2: library part "D Zener", "TRANSIL (SM6T12A)"
D3 D4 D5 D8 D17: library part LED0, "LED Green"
D6 D7: library part Diode, "Diode Schottky  low Vf, If 1A (PMEG3010ER; MBRX120LF)"
DZ1: library part "D Schottky", "Diode Schottky (STPS2L40U)"
J1 J7 J16: library part "Header 26x2", "Pin header 26x2"
J2: library part "Header 2", "Terminal block Header 3.5mm Horizontal (WE 691322110002)"
J3: library part "WE-DC Power Jack 694108301002", "WR-DC_DC Power Jack_Right Angled_THT"
J6: library part Battery_holder_3002
J9: library part USB_Con_Type_B_mini_SMT, "Mini USB SMT Type B 5 Contacts (WE 65100516121)"
J10: library part "Header 2X2", "Header, 2-Pin, Dual row"
J11: library part micro_sd_holde, "WR-CRD Micro SD_Push and Push (693071010811)"
J12: library part "WE-Communication Connectors 61400826021", "USB Type-A Double Connector (WE  61400826021)"
J13: library part RJ45LAN-10/100BaseT, "Integrated RJ45 Transformer WE-RJ45LAN"
J14 J15: library part ANTENNA, "MMCX, STRAIGHT JACK, 50OHM (MOLEX 73415-2061)"
L1 L2 L3 L5 L6 L7 L8 L9 L12 L13 L15 L16 L17 L18 L19: library part Inductor, "WE 742792022"
L4: library part Inductor, "SMD Shielded Tiny Power Inductor"
L10 L11: library part Common_mode_choke, "Common mode line filter"
L14 L20 L21: library part "BEAD_ FERRITE", "Ferrite Beat (WE 7427927218)"
Q1: library part "MOSFET-P 3pin"
R1 R2 R3 R4 R5 R6 R7 R8 R13 R14 R15 R16 R17 R33 R35 R36 R37 R38 R39 R40 R41 R42 R43 R44 R45 R46 R47 R48 R49 R50 R51 R52 R53 R54 R55 R56 R57 R58 R59 R60 R61 R62 R63 R64 R65 R66 R67 R68 R69 R70 R71 R72 R73 R74 R75 R76 R77 R78 R79 R80 R81 R82 R83 R84 R85 R86 R87 R89 R90 R91 R92 R93 R94 R150: library part Res1, "Resistor"
SW1: library part tactile_switch, "Tactile switch"
Tp1 Tp2 Tp3 Tp4 Tp9 Tp10 Tp11 Tp12 Tp13 Tp14 Tp15 Tp16: library part Test_point
Tp5 Tp6 Tp7 Tp8: library part Test_point, "Test point"
U1: library part project42_pinout, "Faster Little Linux Module"
U2: library part LM22670MR-ADJ
U3: "Very Low Drop Linear regulator 3.3V (BA33BC0FP-E2; MIC2940A-3.3WU)"
U4: "Serial TTL 232 <-> USB (QFN-32)"
U6 U7: library part TVS_Diode_Array
U8: "8-bit bidirectional level translator"
U11: library part TXB0108PW, "8-bit bidirectional level translator"
U12: library part Si501/2/3_32768Hz, "32.768kHz Oscillator (EPSON  X1B0002110001 SG-3030CM)"
U28: library part LM317AEMP, "LDO, ADJ (ZLDO1117;LM1117IMP-ADJ/NOPB;LD1117S)"

## Free pads (board coordinates)
  round 6 hole 3.2: Hole(3.2,3.2) Hole(3.2,116.8) Hole(80.8,3.2) Hole(80.8,116.8)
  round 4 hole 3.2: Hole(6.44,15.86) Hole(6.44,92.06) Hole(77.56,15.86) Hole(77.56,92.06)

## Via types
v1: diameter 0.6, hole 0.3, Top Layer to Bottom Layer, 866 vias
v2: diameter 0.5, hole 0.25, Top Layer to Bottom Layer, 4 vias

## Nets (pads, with @x,y where several pads share a name; then routed paths per layer and width w, separated by ;. In a path a pad name is that pad's centre, name@x,y a point inside that pad or via, vN(x,y) a via of type N, cw(c..) or ccw(c..) an arc to the next point about the centre after c; other vN are vias at no path point)
3V3OUT: C19.1 R35.1 U4.1 U4.16 | length 17.4
  Top Layer w0.25: v1(33.1,104) 33.95,104 C19.1@34.1,104.15
  Top Layer w0.3: C19.1@34.1,104.15 R35.1@35.4,104.15
  Inner w0.25: v1(33.1,104) 33.7,104 34.1,104.4 34.1,109.7 v1(34.5,110.1)
  Bottom Layer w0.25: v1(33.1,104) 33.8,104 34.05,104.25 U4.1@34.05,104.8 ; v1(34.5,110.1) 34.9,110.5 38.5,110.5 38.8,110.2 38.8,109.1 38.6,108.9 U4.16@38.15,108.9
+1.8V: C35.2 C38.2 C42.2 C43.2 C44.2 D17.1 J1.4 J16.50 L16.1 R87.1 R89.1 R90.1 R91.1 R92.1 R93.1 Tp4.1 U8.2 U8.10 U9.38 U11.2 U11.10 U12.4 | length 314.6
  Top Layer w0.25: Tp4.1@75.8,112.06 78.36,109.5 D17.1@81.1,109.5
  Top Layer w0.3: J1.4@12.79,94.61 J1.4@12.79,94.91 ; 13.4,96.4 13.4,96.45 ; 13.9,96.5 13.9,96.45 13.4,96.45 ; J1.4@12.79,94.91 13.93,94.91 v1(13.94,94.9) v1(13.94,95.7) ; J1.4@12.79,94.91 J1.4@12.79,95.71 ; J1.4@12.79,95.71 13.93,95.71 v1(13.94,95.7) ; J1.4@12.79,95.71 v1(12.79,96.45) ; v1(12.79,96.45) 12.79,97.45 v1(12.74,97.5) 13.4,97.5 ; v1(12.79,96.45) 13.4,96.45 ; 13.4,96.45 13.4,97.5 ; 13.4,97.5 13.84,97.5 13.94,97.4 v1(13.94,95.7)
  Top Layer w0.35: R90.1@68.5,20.8 69.1,20.8 69.1,19.6 R91.1@69,19.5 68.8,19.3 R92.1@68.8,18.2 R89.1@68.8,16.9 ; v1(69.4,15.6) R93.1@68.4,15.6 68.8,16 R89.1@68.8,16.9 ; v1(70.1,16.9) R89.1@68.8,16.9 ; v1(79.1,21.3) 79.11,21.31 J16.50@79.11,22.21 ; v1(80,21.3) 80.01,21.31 J16.50@80.01,22.21 ; J16.50@80.11,22.21 J16.50@81.01,22.21 ; v1(81,21.3) 81.01,21.31 J16.50@81.01,22.21 ; v1(82,22.2) 81.99,22.21 J16.50@81.01,22.21
  Inner w0.3: v1(12.74,97.5) 12.74,98.24 13.8,99.3 33.6,99.3 36.2,101.9 69.931,101.9 72.031,104 76.8,104 77.4,104.6 77.4,109.5 ; 70.7,21.2 70.8,21.3 v1(79.1,21.3) ; v1(71.7,32.2) v1@71.8,32.2 ; Tp4.1@75.8,112.06 77.4,110.46 77.4,109.5 ; v1(80,21.3) 80,86.6 81.7,88.3 81.7,108.7 80.9,109.5 77.4,109.5
  Inner w0.35: v1(49.4,16) v1(49.4,17.3) v1(49.4,18.6) 49.4,23.2 51.4,25.2 51.4,29.4 ; v1(50.5,29.4) 51.4,29.4 ; v1(54.7,50.6) 54.7,38.1 55.9,36.9 55.9,29.8 55.5,29.4 ; v1(64.6,31.4) 64.6,30.6 64.5,30.5 ; v1(69.4,15.6) 69.4,16.2 v1(70.1,16.9) 70.1,20.3 70.7,20.9 70.7,21.2 70.7,32.2 ; v1(71.7,32.2) 70.7,32.2 ; v1(79.1,21.3) v1(80,21.3) v1(81,21.3) 81.7,21.3 82,21.6 v1(82,22.2) ; 51.4,29.4 55.5,29.4 ; 55.5,29.4 v1(56.5,28.4) 61.1,28.4 63.2,30.5 64.5,30.5 ; 64.5,30.5 66.275,30.5 67.975,32.2 70.7,32.2
  Bottom Layer w0.25: v1(50.5,29.4) 51,29.4 51.25,29.65 U8.10@51.25,30.2 ; U8.2@56.45,30.2 56.45,28.4 v1(56.5,28.4) C35.2@58.3,28.4 ; U11.2@70.475,30.925 70.475,31.975 70.7,32.2 v1(71.7,32.2) 72.1,32.2 72.3,32 C38.2@72.3,30.8
  Bottom Layer w0.3: C44.2@46.5,14.6 R87.1@46.5,15.9 46.6,16 U12.4@48.075,16 v1(49.4,16) 49.4,18.7 49.7,19 C42.2@50.75,19 50.75,18.45 50.8,18.4 51.8,18.4 52.35,17.85 U9.38@52.975,17.85 ; v1(64.6,31.4) 65.175,31.4 65.275,31.3 U11.10@65.275,30.925
  Bottom Layer w0.35: C42.2@50.75,19 50.9,19.15 C43.2@50.9,20.7 ; v1(54,50.6) L16.1@54,51.6 ; v1(54.7,50.6) L16.1@54.7,51.6